# KiCad board [DFR1142]Lite Carrier for LattePanda Mu(V2).kicad_pcb (continued)
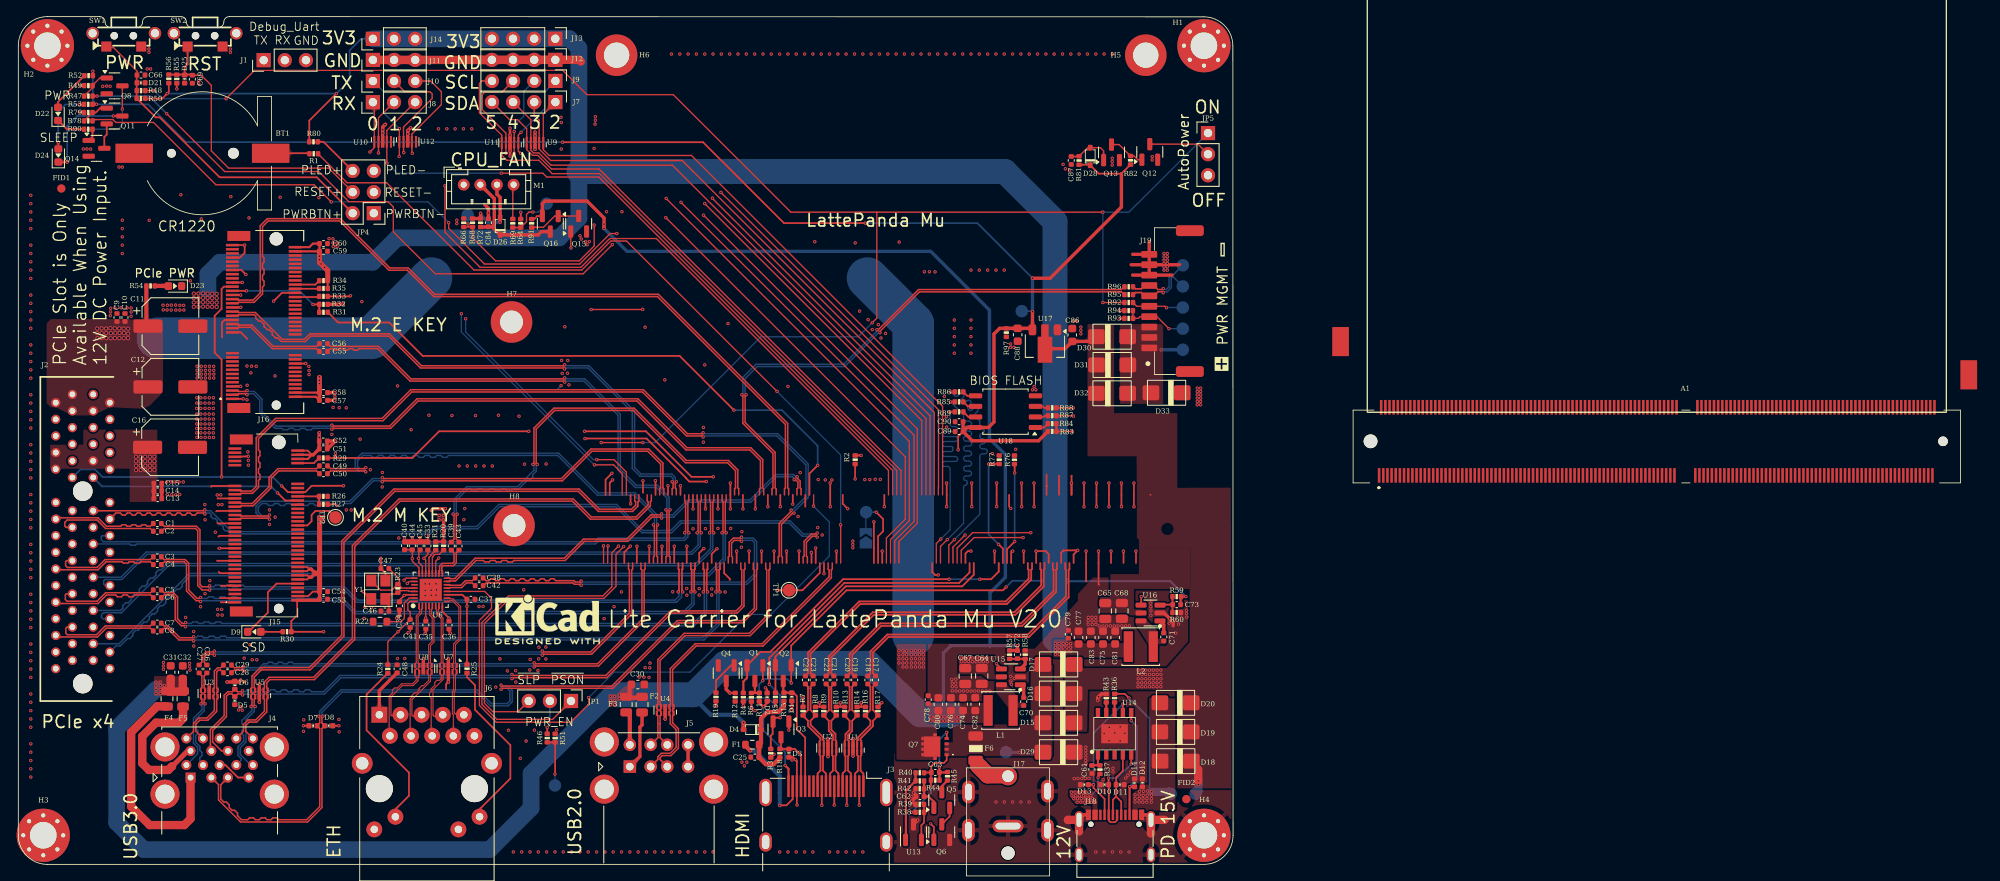
[diagram p0: board, top side]
## Nets (continued)
/LattePanda Module/~{PWR_SW}: A1.1 JP5.1 R48.2 R92.1
/LattePanda Module/~{RST_SW}: A1.3 R55.2
/LattePanda Module/~{SPI_CS0}: A1.165 R83.1 R84.2
/M.2 E&M Key/CON_PCIE_TX_0+: C55.2 J16.35
/M.2 E&M Key/CON_PCIE_TX_0-: C56.2 J16.37
/M.2 E&M Key/CON_PCIE_TX_1+: C49.2 J15.49
/M.2 E&M Key/CON_PCIE_TX_1-: C50.2 J15.47
/M.2 E&M Key/~{CLKREQM}: R26.1
/PCIe x4/PCIE30_TX0_N: C2.2 J2.B15
/PCIe x4/PCIE30_TX0_P: C1.2 J2.B14
/PCIe x4/PCIE30_TX1_N: C4.2 J2.B20
/PCIe x4/PCIE30_TX1_P: C3.2 J2.B19
/PCIe x4/PCIE30_TX2_N: C6.2 J2.B24
/PCIe x4/PCIE30_TX2_P: C5.2 J2.B23
/PCIe x4/PCIE30_TX3_N: C8.2 J2.B28
/PCIe x4/PCIE30_TX3_P: C7.2 J2.B27
/PSU/CC1: D13.2 J18.A5 U14.7
/PSU/CC2: D14.2 J18.B5 U14.6
/PSU/CON_UPS_USB_DN: J19.6 R95.2 TP16.1
/PSU/CON_UPS_USB_DP: J19.7 R96.2 TP17.1
/PSU/POWER_SW: C66.1 D21.2 JP4.4 R48.1 R50.1 SW1.1
/PSU/PWR_C_D+: D11.2 J18.A6 J18.B6 U14.4
/PSU/PWR_C_D-: D10.2 J18.A7 J18.B7 U14.5
/PSU/PWR_EN: Q15.1 R46.2 R51.2 TP9.1 U15.4 U16.4
/PSU/PWR_LED: JP4.6 R80.2
/PSU/RESET_SW: C69.1 D25.2 JP4.5 R55.1 R56.1 SW2.1
/PSU/UPS_STATE_LP: J19.4 R93.1 R94.1 TP14.1
/PSU/UPS_SW_LP: J19.5 R92.2 TP15.1
/PSU/UPS_USB_DN: A1.84 R95.1
/PSU/UPS_USB_DP: A1.82 R96.1
/PSU/~{SLP_S4_N}: A1.7 JP1.3 R78.1 R93.2
/USB2.0&USB3.0/CON_USB1_D_N: A1.109 J5.2 U4.2 U4.9
/USB2.0&USB3.0/CON_USB1_D_P: A1.111 J5.3 U4.1 U4.10
/USB2.0&USB3.0/CON_USB2_D_N: A1.79 J5.6 U4.5 U4.6
/USB2.0&USB3.0/CON_USB2_D_P: A1.81 J5.7 U4.4 U4.7
/USB2.0&USB3.0/CON_USB3_D_N: A1.73 D8.2 J4.2
/USB2.0&USB3.0/CON_USB3_D_P: A1.75 D7.2 J4.3
/USB2.0&USB3.0/CON_USB3_SSRX_N: A1.18 J4.5 U5.4 U5.7
/USB2.0&USB3.0/CON_USB3_SSRX_P: A1.16 J4.6 U5.5 U5.6
/USB2.0&USB3.0/CON_USB3_SSTX_N: C26.2 J4.8 U3.4 U3.7
/USB2.0&USB3.0/CON_USB3_SSTX_P: C27.2 J4.9 U3.5 U3.6
/USB2.0&USB3.0/CON_USB4_D_N: A1.67 D6.2 J4.11
/USB2.0&USB3.0/CON_USB4_D_P: A1.69 D5.2 J4.12
/USB2.0&USB3.0/CON_USB4_SSRX_N: A1.24 J4.14 U5.1 U5.10
/USB2.0&USB3.0/CON_USB4_SSRX_P: A1.22 J4.15 U5.2 U5.9
/USB2.0&USB3.0/CON_USB4_SSTX_N: C28.2 J4.17 U3.1 U3.10
/USB2.0&USB3.0/CON_USB4_SSTX_P: C29.2 J4.18 U3.2 U3.9
/~{PLT_RST}: A1.105 J2.A11 J15.50 J16.52 TP1.1 U6.19
/~{PWR_LED}/~{PSON}: A1.5 JP1.1 Q6.1 R19.1 R47.1 R94.2
/~{WAKE}: A1.103 J2.B11 J15.54 J16.55
VDC: A1.250 A1.251 A1.252 A1.253 A1.254 A1.255 A1.256 A1.257 A1.258 A1.259 A1.260 C64.2 C65.2 C67.2 C68.2 C86.1 D15.1 D16.1 D17.1 D18.1 D19.1 D20.1 D30.1 D31.1 D32.1 TP10.1 U15.5 U16.5 U17.2
Net-(A1-HPD_0): A1.187 R76.1
Net-(A1-HPD_1): A1.185 R77.1
Net-(A1-SIO_UART_RX): A1.12 J1.2
Net-(A1-SIO_UART_TX): A1.10 J1.1
Net-(A1-~{BIOS_SEL}): A1.133 JP6.2 R2.1 TP7.1
Net-(BT1-+): BT1.1 R1.2
Net-(D9-A): D9.2 R30.1
Net-(D9-K): D9.1 J15.10
Net-(D22-A): D22.2 R52.1
Net-(D22-K): D22.1 Q8.3 R90.1
Net-(D23-A): D23.2 R54.2
Net-(D24-A): D24.2 R53.1
Net-(D24-K): D24.1 Q11.3
Net-(D26-A): D26.2 M1.3 R68.1 R72.2
Net-(D28-A): C87.1 D28.2 Q13.1 R81.2
Net-(F6-Pad1): F6.1 J17.1
Net-(J3-+5V): F1.2 J3.18
Net-(J4A-VBUS1): F4.2 J4.1
Net-(J4B-VBUS2): F5.2 J4.10
Net-(J5-VBUS1): F2.2 J5.1
Net-(J5-VBUS2): F3.2 J5.5
Net-(J6-CT): C48.1 J6.R1
Net-(J6-PadL1): J6.L1 R25.1
Net-(J6-PadL3): J6.L3 R24.1
Net-(J15-DEVSLP): J15.38 TP2.1
Net-(J15-PEDET): J15.69
Net-(J15-SUSCLK): J15.68 R29.1
Net-(J15-~{CLKREQ}): J15.52 R26.2 R27.1
Net-(J16-SUSCLK): J16.50 R33.1
Net-(J16-~{CLKREQ0}): J16.53 R31.2 R32.1
Net-(J16-~{W_DISABLE1}): J16.56 R34.1
Net-(J16-~{W_DISABLE2}): J16.54 R35.2
Net-(JP1-C): JP1.2 R46.1
Net-(JP5-C): JP5.2 Q12.3
Net-(M1-PWM): M1.4 R69.2
Net-(Q1-D): Q1.3 R6.1 R11.1
Net-(Q4-D): Q4.3 R7.2 R8.2 R9.2 R10.2 R12.1 R13.2 R14.2 R16.2 R17.2
Net-(Q4-G): Q4.1 R19.2
Net-(Q5-D): Q5.3 R45.1
Net-(Q5-G): C62.1 Q5.1 R41.1 R42.2
Net-(Q5-S): Q5.2 Q6.3
Net-(Q7-G): C63.1 Q7.4 R44.1 R45.2
Net-(Q8-G): Q8.1 R47.2 R49.2
Net-(Q11-G): Q11.1 R78.2 R79.2
Net-(Q11-S): Q11.2 Q14.3
Net-(Q12-G): Q12.1 Q13.3 R82.2
Net-(Q14-G): Q14.1 R90.2
Net-(Q15-D): Q15.3 Q16.1 R91.1
Net-(U6-CKXTAL1): C47.2 R23.2 U6.28 Y1.1
Net-(U6-CKXTAL2): C46.2 R23.1 U6.29 Y1.3
Net-(U6-ISOLATEB): R20.2 U6.20
Net-(U6-LANWAKEB): R21.2 U6.21
Net-(U6-RSET): R22.2 U6.31
Net-(U10-NC-Pad6): U10.5 U10.6
Net-(U12-NC-Pad6): U12.5 U12.6
Net-(U13-K): R40.1 R41.2 U13.1
Net-(U13-REF): R38.1 R39.2 U13.2
Net-(U14-CFG1): R43.1 U14.9
Net-(U14-VBUS): R36.2 U14.8
Net-(U14-VDD): C61.1 R37.2 U14.1
Net-(U15-BOOST): C70.2 U15.1
Net-(U15-FB): C72.2 R57.1 R58.2 U15.3
Net-(U15-SW): C70.1 L1.1 U15.6
Net-(U16-BOOST): C71.2 U16.1
Net-(U16-FB): C73.2 R59.1 R60.2 U16.3
Net-(U16-SW): C71.1 L2.1 U16.6
Net-(U18-CLK): R85.1 U18.6
Net-(U18-DI(IO0)): R86.1 U18.5
Net-(U18-DO(IO1)): R87.1 U18.2
Net-(U18-IO2): R88.1 U18.3
Net-(U18-IO3): R89.1 U18.7
Net-(U18-~{CS}): R84.1 U18.1

Pads without a net: A1 6 8 9 70 72 91 93 104 106 108 112 114 117 118 119 120 121 122 123 124 125 126 127 128 129 130 132 134 145 147 149 157 160 162 164 166 168 172 173 174 175 176 177 178 179 180 184 186 190 191 192 193 196 198 202 204 208 210 214 216 220 221 222 223 226 227 228 229 232 233 234 235 238 239 240 241 244 245 246 247; J2 A5 A6 A7 A8 A19 A32 B5 B6 B9 B12 B30; J3 13 14; J15 5 6 7 8 11 13 17 19 20 22 23 24 25 26 28 29 30 31 32 34 35 36 37 40 42 44 46 48 56 58 67; J16 6 8 9 10 11 12 13 14 15 16 17 19 20 21 22 23 32 34 36 38 40 42 44 46 48 58 59 60 61 62 64 65 66 67 68 70 71 73; J18 A8 B8; JP5 3; SW1 MP; SW2 MP; U6 27; U14 2 3 10

## Via types
v1: diameter 0.4, hole 0.2, Top to Bottom, 1239 vias
v2: diameter 0.5, hole 0.3, Top to Bottom, 68 vias

## Routing (per net, layer and track width the routed paths; a pad name or vN(x,y) marks a point on that pad's centre or on a via; arc(x,y) is an arc through that point)
5V_HDMI_VCC: length 12
  Top w0.508: R15.1 92.01,19 91.34,18.33 90.04,18.33 89.26,17.55 D4.1 89.26,14.62 F1.1 89.04,12.94 C25.1 89.84,12.05 90.78,12.05 91.53,12.81 R18.1
+1V0: length 30.1
  Top w0.15: U6.24 48.17,35.67 47.36,36.48 C44.2 47.34,37.86 C40.2 ; 48.98,29.47 48.98,29.61 v1(48.97,29.63) U6.3 ; C33.2 49.23,37.3 v1(48.75,36.82) 48.97,36.6 U6.22
  Top w0.2: U6.8 50.97,30.43 v1(51.77,29.63) C36.2 ; C34.2 45.81,31.77 v1(46.38,32.35) 46.47,32.44 U6.30
  In2.PWR w0.4: 47.36,36.14 48.22,36.14 ; 47.36,36.14 v1(47.36,36.79) ; 47.36,36.14 45.71,34.5 45.71,33.19 ; 48.22,36.14 48.3,36.22 48.34,36.22 48.69,36.57 48.69,36.59 48.71,36.61 48.71,36.64 48.75,36.67 v1(48.75,36.82) ; 48.22,36.14 48.22,31.16 48.97,30.41 v1(48.97,29.63) v1(51.77,29.63) ; 45.76,33.19 46.38,32.57 v1(46.38,32.35)
+3V3: length 494.6
  Top w0.15: R24.2 44.41,26.77 v1(45.63,27.99) C41.2 47.1,30.34 46.82,30.62 46.82,31.38 47.08,31.64 U6.32 ; C45.2 48.14,37.68 48.14,36.31 48.57,35.89 U6.23
  Top w0.2: v1(92.9,21.82) 92.89,21.83 Q2.1 92.89,26.33 99.54,32.98 118.34,32.98 v1(118.73,33.37) ; R3.1 90.44,12.86 v1(90.83,13.25) ; 33.52,32.28 34.85,32.28 35.39,32.82 C54.2 ; v1(60.39,78.46) 60.39,77.65 R64.1 ; 92.61,17.33 v1(92.61,16.15) ; v1(51.12,39.69) 51.12,39.68 R20.1 51.11,38.83 R21.1 ; R5.1 v1(91,19.12) ; Q1.1 v1(89.48,22.1) ; U6.11 53.37,32.44 53.92,31.89 C37.2 v1(53.92,31.04) 53.92,24.07 R25.2 ; R56.2 18.09,92.94 v1(17.9,92.74) 17.29,92.14 15.27,92.14 R50.2 ; 33.52,34.78 34.75,34.78 34.99,34.54 34.73,34.28 33.52,34.28 ; v1(36.7,27.99) R30.2 32.81,29.27 33.52,29.97 33.52,31.78 ; R34.2 R35.1 ; R4.1 v1(87.14,19.09) ; R80.1 34.97,89.49 v1(38.23,92.74) ; 33.52,35.78 34.72,35.78 34.97,35.53 34.72,35.28 33.52,35.28 ; 35.29,49.28 34.79,49.78 33.52,49.78
  Top w0.25: J16.2 35.77,56.26 C57.2 ; v1(140.33,32.22) R59.2 139.71,32.19 C73.1 ; 33.52,49.28 35.29,49.28 34.79,48.78 33.52,48.78 ; J16.72 36.19,73.76 C59.2 C60.2 35.41,74.69 34.98,74.26 J16.74 ; J16.4 C58.2 ; C51.2 C52.2 ; 37.12,71.5 37.22,71.41 37.19,71.38 R34.2
  Top w0.4: v1(36.17,51.92) v1(36.17,51.35) C51.2 35.45,49.28 35.29,49.28 ; 34.97,35.53 35.19,35.53 35.69,35.03 35.2,34.54 34.99,34.54 ; C58.2 C57.2 ; 33.52,31.78 36.09,31.78 C53.2 C54.2 ; v1(51.12,39.69) 51.12,41.38 v1(51.06,41.44) ; C13.2 C15.1
  Top w0.6: C59.2 v1(36.2,73.18) v1(36.2,72.75) 36.2,72.43 v1(36.39,72.24) v1(36.81,71.82) 36.88,71.75 ; 35.69,35.03 35.7,35.04 36.21,35.04 ; C58.2 v1(36.2,58.25) 36.2,58.6 ; R34.2 37.19,71.44 36.88,71.75 ; 36.21,41.77 C54.2 ; 36.88,71.75 37.12,71.5
  In2.PWR w0.2: v1(36.7,27.99) v1(45.63,27.99) ; 48.93,38.44 49.62,37.75 49.62,36.78 50.08,36.32 50.59,36.32 52.22,34.69 52.22,32.74 v1(53.92,31.04) ; v1(90.83,13.25) 92.61,15.04 v1(92.61,16.15) 92.61,17.51 v1(91,19.12)
  In2.PWR w0.4: v1(36.69,41.82) 51.11,41.82 ; v1(51.12,39.69) 50.18,39.69 48.07,37.58 48.07,36.85 v1(48.09,36.82)
  In2.PWR w0.6: 37.19,71.44 v1(36.39,72.24) 36.2,72.43 v1(36.2,73.18) ; v1(36.2,57.84) v1(36.2,58.66) ; 36.2,52.52 36.2,51.95 v1(36.17,51.92)
  In2.PWR w1: 37.19,71.44 37.19,64.82 36.2,63.83 36.2,41.82
  Bottom w0.2: 89.04,20.04 90.12,20.04 90.12,20 v1(91,19.12) ; 89.04,20.04 87.76,20.04 87.14,19.42 v1(87.14,19.09) ; 89.04,20.04 89.04,21.66 v1(89.48,22.1) 89.69,22.31 92.41,22.31 v1(92.9,21.82) ; 124.6,34.12 119.48,34.12 v1(118.73,33.37) ; 61.31,75.38 60.39,76.3 v1(60.39,78.46) ; J14.1 41.22,99.33 39.82,97.93 39.82,94.34 v1(38.23,92.74) v1(17.9,92.74)
  Bottom w0.25: 124.6,34.12 124.65,34.07 138.48,34.07 v1(140.33,32.22)
  Bottom w2: J14.1 56.8,99.33 56.83,99.36 66.24,99.36 67.38,98.22 67.38,77.75 65.01,75.38 45.53,75.38 42.6,72.45 24.21,72.45 22.79,71.03 22.79,68.99
  Bottom w3: 124.6,27.11 124.6,77.34 118.58,83.36 67.38,83.36
  vias: v1(36.18,41.8) v1(36.17,41.26) v1(36.66,41.25) v1(50.58,41.99) v1(50.57,41.45) v1(51.09,42.01) v1(124.66,26.56) v1(124.66,26.14) v1(124.66,25.68) v1(124.66,25.27) v1(125.11,26.56) v1(125.11,26.14) v1(125.11,25.68) v1(125.11,25.27) v1(125.57,26.56) v1(125.57,26.14) v1(125.57,25.68) v1(125.57,25.27) v1(126.02,26.56) v1(126.02,26.14) v1(126.02,25.68) v1(126.48,26.56) v1(126.48,26.14) v1(126.48,25.68) v2(14.14,49.05) v2(14.14,48.5) v2(14.16,47.97) v2(14.15,47.44) v2(14.69,49.05) v2(14.69,48.5) v2(14.71,47.97) v2(14.7,47.44) v2(15.25,49.05) v2(15.25,48.5) v2(15.27,47.97) v2(15.26,47.44) v2(15.82,49.06) v2(15.82,48.51) v2(15.84,47.98) v2(15.83,47.45) v2(16.35,49.07) v2(16.35,48.52) v2(16.37,47.99) v2(16.36,47.46) v2(21.09,68.67) v2(21.09,68.14) v2(21.09,67.61) v2(21.09,67.08) v2(21.65,68.68) v2(21.65,68.15) v2(21.65,67.62) v2(21.65,67.09) v2(22.21,68.7) v2(22.21,68.17) v2(22.21,67.64) v2(22.21,67.11) v2(22.75,68.68) v2(22.75,68.15) v2(22.75,67.62) v2(22.75,67.09) v2(23.3,68.66) v2(23.3,68.13) v2(23.3,67.6) v2(23.3,67.07) v2(23.84,68.65) v2(23.84,68.12) v2(23.84,67.59) v2(23.84,67.06)
+3V3_ROM: length 206.4
  Top w0.2: R81.1 128.78,84.18 D28.1 129.85,83.11 132.58,83.11 R82.1 ; v1(8.96,95.43) 8.96,94.9 R52.2 ; v1(112.96,49.88) 112.96,51.49 C89.2 ; v1(101.3,49.2) R2.2 ; R53.2 v1(9.4,91.45) ; v1(65.42,86.89) 82.29,86.89 92.02,77.16 v1(101.81,77.16)
  Top w0.4: C89.2 114.04,52.56 U18.8 116.6,52.56 117.26,53.23 117.26,63.81 117.95,64.49 C88.1 ; C89.2 114.66,50.97 122.62,50.97 123.74,52.09 R83.2 ; C89.2 C90.2 ; v1(121.9,70.52) 124.01,70.52 132.58,79.09 132.58,83.11 ; C88.1 120.13,64.51 ; C88.1 121.71,64.49 U17.3 v1(121.89,66.51)
  In2.PWR w0.2: v1(101.3,49.2) 101.98,49.88 v1(112.96,49.88)
  Bottom w0.2: v1(121.9,70.52) 115.26,77.16 v1(101.81,77.16) ; v1(121.89,66.51) 121.84,66.56 TP13.1 ; v1(8.96,95.43) 8.96,91.89 v1(9.4,91.45) 15.6,91.45 20.15,86.9 65.41,86.9 v1(65.42,86.89)
  Bottom w0.4: v1(121.89,66.51) 121.89,70.51 v1(121.9,70.52)
+5V: length 273.5
  Top w0.2: 61.49,77.68 62.05,77.68 62.38,78.01 Q16.2
  Top w0.4: v1(70.4,76.52) 70.4,77.77 68.36,79.81 63.31,79.81 62.99,79.49 Q16.2 ; v1(120.09,26.3) 120.08,26.29 C72.1 120.05,25.74 R57.2
  Top w0.5: 73.48,21.48 73.48,20.07 73.5,20.04 74.97,20.04
  Top w0.508: v1(87.16,17.05) D4.2
  Top w1: C32.2 19.77,21.01 20,20.78 18.1,20.78 18.31,20.99 C31.2
  Bottom w0.4: 116.79,26.3 116.79,32.69 118.64,34.54 118.64,49.29 116.72,51.21 116.72,66.69 109.65,73.76 73.16,73.76 v1(70.4,76.52) v1(70.4,77.03) ; 116.79,26.3 112.05,26.3 111.19,25.44 111.19,18 ; 116.79,26.3 v1(120.09,26.3)
  Bottom w0.508: v1(87.16,17.05) 86.21,18 83.21,18 81.13,20.08 81.13,20.41
  Bottom w2: v1(71.16,20.23) 71.16,20.46 61.63,10.93 61.63,6.77 56.64,1.78 15.08,1.78 11.82,5.04 11.82,16.34 v1(16.55,21.07)
  Bottom w3: 72.29,20.41 81.13,20.41 84.91,24.19 102.21,24.19 108.4,18 112.2,18
  vias: v1(16.54,21.5) v1(16.55,21.94) v1(16.55,20.55) v1(17.06,21.94) v1(17.07,21.51) v1(17.05,21.04) v1(17.06,20.56) v1(17.56,21.53) v1(71.19,19.7) v1(71.18,19.22) v1(71.65,20.21) v1(71.68,19.67) v1(71.68,19.21) v1(72.23,20.38) v1(72.21,19.95) v1(109.71,17.74) v1(109.67,17.25) v1(110.13,17.74) v1(110.09,17.25) v1(110.54,17.74) v1(110.51,17.25) v1(110.92,17.25) v1(110.95,17.74) v1(111.34,17.25) v1(111.37,17.74) v1(111.78,17.74) v1(111.76,17.25) v1(112.2,17.74) v1(112.18,17.25) v1(112.61,17.74) v1(112.6,17.25) v1(113.02,17.74) v1(113.02,17.25)
+5V_FAN: length 14.8
  Top w0.4: 56.93,76.72 D26.1 62.49,75.74 62.88,76.13 Q16.3 ; 56.93,76.72 57.21,77 57.21,80.1 M1.2 ; 56.93,76.72 C84.1 56.47,76.69 R72.1
+12V: length 12.4
  Top w0.2: R40.2 108.9,11.06 C63.2 ; Q7.1 111.58,12.54 111.24,12.2 110.11,12.2 109.73,11.82 C63.2 ; R38.2 107.36,6.27 v1(107.34,6.25) ; v1(109.69,9.34) 109.69,10.12 R44.2 109.7,11.03 C63.2
  Bottom w0.2: v1(107.34,6.25) 109.69,8.6 v1(109.69,9.34)
  Bottom w0.4: TP4.1 v1(120.31,13.5)
+12VA: length 86.1
  Top w0.5: C11.1 15.39,64.95 R54.1
  Bottom w5: 16.71,63.31 42.42,63.31 49.65,70.54 ; 107.56,27.56 107.56,65.05 102.07,70.54
  vias: v1(105.83,25.71) v1(105.83,25.22) v1(105.83,24.73) v1(105.83,24.23) v1(106.32,25.69) v1(106.31,25.22) v1(106.31,24.73) v1(106.31,24.23) v1(106.31,23.74) v1(106.77,25.69) v1(106.77,25.22) v1(106.77,24.73) v1(106.77,24.23) v1(106.77,23.74) v1(107.33,25.71) v1(107.33,25.22) v1(107.33,24.73) v1(107.33,24.23) v1(107.33,23.74) v1(107.83,25.71) v1(107.83,25.22) v1(107.83,24.73) v1(107.83,24.23) v1(107.83,23.74) v1(108.31,25.69) v1(108.31,25.22) v1(108.31,24.73) v1(108.31,24.23) v1(108.31,23.74) v1(108.77,25.69) v1(108.77,25.22) v1(108.77,24.73) v1(108.77,24.23) v1(108.77,23.74) v2(9.48,64.47) v2(9.46,63.92) v2(9.51,63.31) v2(10.01,64.49) v2(10.02,63.92) v2(10.02,63.31) v2(10.54,64.47) v2(10.57,63.92) v2(10.57,63.31) v2(11.07,64.52) v2(11.13,63.91) v2(11.1,63.31) v2(11.61,64.5) v2(11.62,63.31) v2(11.66,63.92) v2(12.14,64.49) v2(12.17,63.94) v2(12.15,63.31) v2(12.67,64.47) v2(12.69,63.92) v2(12.67,63.31) v2(13.2,64.45) v2(13.2,63.86) v2(13.19,63.31)
+15V: length 19.7
  Top w0.2: R37.1 129.78,10.67 v1(129.78,10.44) ; R36.1 132.98,20.52 v1(133.49,20.01)
  Bottom w0.2: v1(133.49,20.01) 135.97,17.53 135.97,9.09 v1(135.71,8.83) ; v1(128.91,8.26) 129.78,9.13 v1(129.78,10.44)
  Bottom w1: TP3.1 138.26,8.74 v1(136.21,8.74)
  vias: v1(126.56,8.69) v1(126.64,8.25) v1(126.86,7.9) v1(127,8.7) v1(127.08,8.26) v1(127.3,7.91) v1(127.26,7.48) v1(127.45,8.69) v1(127.53,8.25) v1(127.7,7.49) v1(127.75,7.9) v1(127.9,8.69) v1(128.02,8.26) v1(128.13,7.48) v1(128.23,7.91) v1(128.34,8.7) v1(128.46,8.27) v1(128.56,7.48) v1(128.67,7.92) v1(129,7.48) v1(129.12,7.91) v1(129.45,7.48) v1(134.22,8.38) v1(134.23,7.94) v1(134.22,7.52) v1(134.72,8.35) v1(134.72,7.93) v1(134.71,7.51) v1(134.75,8.8) v1(135.2,8.31) v1(135.17,7.9) v1(135.15,7.49) v1(135.25,8.78) v1(135.62,7.49) v1(135.68,8.33) v1(135.65,7.91) v1(136.2,8.32) v1(136.18,7.89) v1(136.17,7.48)
+VBAT: length 2.6
  Bottom w0.4: TP18.1 137.37,61.92 v1(137.36,61.91)
GND: length 324.9
  Top w0.15: C35.1 48.98,27.87 v1(48.89,27.78) 48.92,27.81 48.98,27.81 ; 51.77,27.82 51.94,27.82 v1(51.95,27.81) 51.77,27.99 C36.1 ; 51.77,28.03 51.78,28.02 ; 48.98,28.01 48.99,28 ; C41.1 47.1,28.01
  Top w0.2: v1(83.97,37.98) 83.33,37.34 83.33,36.26 ; 24.01,37.99 24.05,38.03 v1(24.17,38.03) J15.27 ; J16.45 26.73,67.01 v1(26.74,67.02) ; 26.72,55.12 J16.MP1 ; 111.58,45.88 111.58,43.03 ; 43.58,36.93 43.58,36.92 v1(43.58,36.78) C47.1 44.12,35.06 Y1.4 ; 131.08,43.03 131.08,45.88 ; 59.1,88.57 v1(59.09,88.58) ; v1(75.83,38.28) 75.83,38.27 75.83,36.26 ; J15.51 23.97,44.03 23.95,44.05 ; 134.33,36.26 134.33,37.68 ; v1(27.36,70.97) 27.35,70.97 26.81,71.51 J16.63 ; v1(122.33,37.69) 123.49,37.69 123.83,37.34 123.83,36.26 ; v1(73.59,43.37) 73.58,43.37 73.58,44.46 ; J15.1 24.38,31.53 24.34,31.57 ; v1(89.8,21.24) 90.01,21.03 D2.1 ; 84.08,44.46 84.08,42.77 ; v1(80.35,38.28) 80.33,38.26 80.33,36.26 ; D7.1 v1(34.28,16.68) ; 98.33,36.26 98.33,37.68 ; v1(26.73,57.52) 26.72,57.51 J16.7 ; 128.08,45.88 128.08,43.03 ; v1(26.93,70.02) 26.92,70.01 J16.57 ; 126.83,36.26 126.83,37.28 v1(127.33,37.78) 125.61,37.78 125.33,37.5 125.33,36.26 ; 24.49,63.44 24.47,63.46 24.47,65.19 24.79,65.51 J16.39 24.81,65.51 ; Y1.2 42.31,31.94 41.45,32.8 41.45,32.81 v1(41.46,32.82) ; 101.07,10.3 101.07,7.13 v1(101.08,7.12) ; 23.91,36.55 23.93,36.53 J15.21 ; 87.08,44.46 87.08,42.77 ; 79.58,44.46 79.58,45.55 v1(79.58,45.56) ; 74.33,36.26 74.33,38.26 v1(74.35,38.28) ; 95.33,36.26 95.33,37.52 v1(95.32,37.54) ; 88.09,19.08 88.11,19.1 R6.2 ; v1(26.72,68.5) 26.71,68.51 J16.51 ; 125.07,46.77 125.08,46.75 125.08,44.46 ; 99.08,44.46 99.08,43.39 v1(99.68,42.8) ; 82.58,44.46 82.58,42.77 ; 87.83,36.26 87.83,37.68 ; v1(51.69,21.95) 51.42,21.68 51.42,21.06 ; 81.83,36.26 81.83,37.45 82.38,38 v1(82.39,38) ; v1(93.08,43.34) 93.08,43.34 93.08,44.46 ; 126.58,45.88 126.58,44.46 126.58,46.75 126.59,46.76 ; 129.91,33.62 129.83,33.7 129.83,37.68 ; 122.08,43.03 122.08,45.88 ; J4.4 26.4,10.45 24.9,11.95 J4.7 ; v1(76.57,46.17) 76.58,46.15 76.58,44.46 ; v1(78.84,38.28) 78.83,38.27 78.83,36.26 ; v1(128.33,37.69) 128.33,37.68 128.33,34.08 128.37,34.04 ; 120.58,45.88 120.58,43.03 ; 62.1,88.1 v1(62.11,88.11) ; 86.33,36.26 86.33,37.68 ; 96.83,36.26 96.83,34.98 v1(96.83,34.98) ; v1(73.56,38.29) 72.83,37.56 72.83,36.26 ; 46.43,39.32 v1(46.43,39.26) C40.1 ; J16.18 34.54,60.26 v1(34.55,60.27) ; 23.79,42.47 23.85,42.53 J15.45 ; 88.58,44.46 88.58,42.77 ; 24.29,32.06 24.32,32.03 J15.3 ; 99.57,10.3 v1(99.57,7.11) ; 119.33,36.26 119.33,37.68 ; 24.09,35.2 24.26,35.03 J15.15 ; 93.83,36.26 93.83,37.68 ; 129.58,45.88 129.58,43.03 ; 85.58,45.88 85.58,42.77 ; v1(93.59,7.14) 93.57,7.16 93.57,12.44 v1(93.41,12.6) 93.12,12.89 D3.1 ; 132.58,43.03 132.58,45.88 ; 27.52,63.24 26.75,64.01 J16.33 ; 119.08,44.46 119.08,43.03 ; 132.83,36.26 132.83,37.68 ; J15.39 23.97,41.03 23.94,41.06 ; 24.4,33.52 24.41,33.53 J15.9 ; R27.2 38.12,43.32 38.34,43.1 ; v1(114.5,37.7) 114.14,37.7 113.83,37.39 113.83,36.26 ; 75.08,44.72 75.08,46.14 ; 23.16,45.43 23.26,45.53 J15.57 ; 114.58,45.88 114.58,43.03 ; C33.1 49.23,39.66 49.22,39.67 ; 85.51,34.22 85.51,34.36 84.83,35.03 84.83,36.26 ; 90.83,36.26 90.83,37.68 ; v1(110.57,34.82) 110.2,34.82 109.83,35.18 109.83,36.26 ; 91.58,44.46 91.58,43.03 ; D8.1 v1(38.53,16.68) ; 117.58,43.03 117.58,45.88 ; J15.33 24.16,39.53 24.06,39.43 ; 134.08,43.03 134.08,45.88 ; 97.58,43.03 97.58,45.88 ; J16.69 26.63,73.01 27.2,73.58 v1(27.2,74.51) J16.75 ; 103.83,36.26 103.83,37.68 ; 92.33,36.26 92.33,37.68 ; 77.33,36.26 77.33,38.25 v1(77.36,38.28) ; 90.08,44.46 90.08,43.03 ; 89.33,36.26 89.33,37.68 ; 131.33,36.26 131.33,37.68 ; v1(27.03,56.01) J16.1 ; 81.08,44.46 81.08,42.77 v1(81.09,42.77) ; 117.33,36.26 117.33,37.68 ; J15.71 v1(27.65,49.1) 27.59,49.03 27.6,49.02 ; 98.07,10.3 v1(98.07,7.13) ; 96.57,10.3 v1(96.57,7.11) ; 104.08,44.46 104.08,43.03 ; 123.59,46.93 123.59,45.49 123.58,45.48 123.58,44.46 ; 94.58,44.46 94.58,43.03 ; v1(78.08,45.57) 78.08,45.56 78.08,44.46 ; 122.33,36.26 122.33,37.68 ; 120.83,36.26 120.83,37.68
  Top w0.25: v1(92.91,18.53) 93,18.62 93,19.02 v1(92.96,19.05) 92.96,19.68
  Top w0.3: v1(59.1,87.74) 59.1,88.57 ; v1(59.1,85.84) v1(59.1,85.22)
  Top w0.4: C58.1 v1(38.05,56.76) ; 133.76,72.15 J19.9 139.57,72.15 ; 49.63,42.57 49.86,42.8 v1(51.33,42.8) ; J18.S1 135.53,5.95 J18.A12 ; 138.8,28.7 138.8,29.16 138.73,29.23 v1(138.73,29.29) 138.67,29.29 138.41,29.55 v1(138.39,29.55) 138.39,29.57 137.65,30.3 137.23,30.3 ; v1(59.1,85.84) U11.8 v1(59.1,87.74) ; J19.8 138.66,70.9 ; J19.8 J19.10 ; J19.8 133.93,70.9 ; R32.2 38.99,67.38 v1(39.02,67.41) ; v1(25.08,21.95) 26.5,21.95 v1(26.72,22.17) ; J19.10 133.94,73.4 ; J19.10 135.93,74.92 ; U12.3 v1(46.8,87.88) 46.8,88.27 v1(46.86,88.32) v1(47.16,88.63) ; C34.1 45.81,29.94 v1(45.49,29.63) ; 80.5,14.88 80.5,12.26 ; v1(51.69,24.72) 51.69,24.71 U7.8 51.69,21.95 v1(51.69,21.95) ; 44.14,89.06 v1(44.08,88.99) 43.79,88.71 v1(43.79,88.4) v1(43.79,87.99) U10.3 ; C13.1 C15.2 ; J18.A1 128.09,5.95 J18.S1 ; v1(28.97,21.71) U5.8 v1(28.97,19.51) ; U8.8 v1(48.69,24.72) ; R43.2 130.18,20.51 v1(129.84,20.17) 129.74,20.07 v1(129.74,19.75) ; 56.04,79.39 56.5,78.93 C84.2 ; R39.1 107.76,7.22 v1(107.38,7.6) 107.89,8.11 C62.2 107.89,8.32 v1(107.6,8.61) ; v1(97.31,12.97) U2.8 v1(97.31,15.11) ; 62.1,88.1 v1(62.1,87.66) U9.8 v1(62.1,86.03) ; U13.3 v1(108.1,5.32) ; C57.1 v1(38.03,55.83) ; v1(100.32,13.03) U1.8 U1.3 v1(100.32,15.14) ; v1(77.75,17.49) U4.8 U4.3 ; v1(22.95,21.58) U3.3 U3.8 ; C51.1 37.17,50 v1(38.1,50.93) C52.1 C51.1
  Top w0.6: C33.1 49.2,38.82 C40.1
  Top w1: J12.4 67.41,96.8 67.6,96.61 ; J12.4 56.91,96.79 J11.1 ; J12.4 53.69,96.8 53.68,96.79 ; 126.15,5.34 126.17,5.35 J18.S1 ; J18.S1 137.77,5.35 ; 127.49,5.85 127.49,3.95 ; 136.12,3.73 136.13,3.74 136.13,5.85
  In1.GND w0.2: 26.35,10.05 26.35,10.5 24.9,11.95 J4.7 24.75,11.95 25.41,12.61
  In2.PWR w0.2: 22.03,10.84 22.29,10.84 23.4,11.95 J4.7
  Bottom w0.15: v1(65.24,57.6) 64.78,57.14
  vias: v1(1.5,80.5) v1(1.5,79.5) v1(1.5,78.5) v1(1.5,77.5) v1(1.5,76.5) v1(1.5,74.5) v1(1.5,73.5) v1(1.5,72.5) v1(1.5,71.5) v1(1.5,70.5) v1(1.5,68.5) v1(1.5,67.5) v1(1.5,66.5) v1(1.5,65.5) v1(1.5,64.5) v1(1.5,62.5) v1(1.5,61.5) v1(1.5,60.5) v1(1.5,59.5) v1(1.5,58.5) v1(1.5,56.5) v1(1.5,55.5) v1(1.5,54.5) v1(1.5,53.5) v1(1.5,52.5) v1(1.5,50.5) v1(1.5,49.5) v1(1.5,48.5) v1(1.5,47.5) v1(1.5,46.5) v1(1.5,44.5) v1(1.5,43.5) v1(1.5,42.5) v1(1.5,41.5) v1(1.5,40.5) v1(1.5,38.5) v1(1.5,37.5) v1(1.5,36.5) v1(1.5,35.5) v1(1.5,34.5) v1(1.5,32.5) v1(1.5,31.5) v1(1.5,30.5) v1(1.5,29.5) v1(1.5,28.5) v1(1.5,26.5) v1(1.5,25.5) v1(1.5,24.5) v1(1.5,23.5) v1(1.5,22.5) v1(1.5,20.5) v1(1.5,19.5) v1(1.5,18.5) v1(1.5,17.5) v1(1.5,16.5) v1(1.5,14.5) v1(1.5,13.5) v1(1.5,12.5) v1(1.5,11.5) v1(1.5,10.5) v1(7.35,90.51) v1(7.46,93.69) v1(7.82,86.08) v1(8.25,86.08) v1(8.69,86.06) v1(10.15,93.61) v1(10.61,93.64) v1(11.03,93.61) v1(11.09,66.91) v1(11.09,66.47) v1(11.06,66.02) v1(11.6,66.96) v1(12.1,83.9) v1(12.35,66.97) v1(12.5,83.9) v1(12.5,77.5) v1(12.5,76.5) v1(12.5,75.5) v1(12.5,74.5) v1(12.5,73.5) v1(13.08,66.95) v1(13.56,66.95) v1(13.57,66.47) v1(13.56,65.95) v1(15.5,95.7) v1(15.7,98.1) v1(15.7,97.7) v1(15.73,77.49) v1(15.9,95.7) v1(17.4,67.28) v1(17.42,66.72) v1(17.44,23.87) v1(17.44,23.47) v1(17.45,24.3) v1(17.83,46.01) v1(17.92,67.28) v1(17.88,66.71) v1(17.91,44.47) v1(18.33,46.01) v1(18.39,67.29) v1(18.38,66.7) v1(18.44,44.47) v1(18.83,46.01) v1(18.9,67.29) v1(18.93,66.69) v1(18.93,44.47) v1(19.33,46.01) v1(19.42,67.26) v1(19.41,66.69) v1(19.4,44.5) v1(19.54,80.57) v1(19.83,46.01) v1(19.88,67.26) v1(19.9,66.7) v1(20.12,29.71) v1(20.58,24.19) v1(20.58,23.78) v1(20.64,23.38) v1(20.67,70.21) v1(21.08,28.01) v1(21.09,26.27) v1(21.44,55.5) v1(21.44,54.86) v1(21.44,54.18) v1(21.44,52.45) v1(21.44,51.92) v1(21.48,59.93) v1(21.49,59.45) v1(21.5,58.99) v1(21.49,58.52) v1(21.45,56.14) v1(21.45,53.58) v1(21.45,52.99) v1(21.46,51.37) v1(21.7,94.3) v1(21.7,93.9) v1(21.94,55.5) v1(21.94,54.86) v1(21.94,54.18) v1(21.94,52.45) v1(21.94,51.92) v1(21.9,31) v1(22,77.65) v1(21.98,59.93) v1(21.99,59.45) v1(22,58.99) v1(21.99,58.52) v1(21.95,56.14) v1(21.95,53.58) v1(21.95,52.99) v1(21.96,51.37) v1(22.44,55.5) v1(22.44,54.86) v1(22.44,54.18) v1(22.44,52.45) v1(22.44,51.92) v1(22.42,43.29) v1(22.44,32.57) v1(22.48,59.93) v1(22.49,59.45) v1(22.5,58.99) v1(22.49,58.52) v1(22.45,56.14) v1(22.45,53.58) v1(22.45,52.99) v1(22.46,51.37) v1(22.45,41.47) v1(22.94,55.5) v1(22.94,54.86) v1(22.94,54.18) v1(22.94,52.45) v1(22.94,51.92) v1(22.98,59.93) v1(22.99,59.45) v1(23,58.99) v1(22.99,58.52) v1(22.95,56.14) v1(22.95,53.58) v1(22.95,52.99) v1(22.96,51.37) v1(23.02,34.14) v1(23.44,55.5) v1(23.44,54.86) v1(23.44,54.18) v1(23.44,52.45) v1(23.44,51.92) v1(23.48,59.93) v1(23.49,59.45) v1(23.5,58.99) v1(23.49,58.52) v1(23.45,56.14) v1(23.45,53.58) v1(23.45,52.99) v1(23.46,51.37) v1(23.68,39.97) v1(23.91,44.45) v1(24.04,43.28) v1(23.95,30.68) v1(23.98,30.01) v1(24.33,44.46) v1(24.44,30.68) v1(24.47,43.29) v1(24.5,29.99) v1(25.5,98.1) v1(25.5,97.7) v1(25.54,80.35) v1(26.47,18.58) v1(26.76,18.96) v1(26.91,18.55) v1(27.09,21.98) v1(27.15,24.81) v1(27.48,59.96) v1(27.5,57.64) v1(27.48,55.9) v1(27.59,49.64) v1(27.73,77.79) v1(27.65,48.6) v1(27.65,48.03) v1(27.85,26.42) v1(28.04,59.94) v1(27.95,59.14) v1(28.11,24.62) v1(28.59,59.93) v1(28.66,24.62) v1(30.19,42.65) v1(30.19,40.9) v1(30.85,58.77) v1(30.87,41.77) v1(31.47,80.26) v1(34.3,17.39) v1(34.28,16.01) v1(34.92,59.92) v1(34.94,58.93) v1(34.95,59.41) v1(36.13,80.22) v1(37.35,75.29) v1(37.68,51.73) v1(37.82,75.26) v1(37.82,74.78) v1(37.83,54.98) v1(37.85,74.33) v1(38.05,56.29) v1(38.29,74.76) v1(38.32,74.32) v1(38.5,67.39) v1(38.53,17.44) v1(38.57,54.96) v1(38.56,15.95) v1(39.42,54.93) v1(39.43,42.65) v1(40.01,42.64) v1(41.08,51.16) v1(41.29,67.71) v1(41.56,29.59) v1(41.67,30.98) v1(42.31,47.48) v1(42.44,30.9) v1(43.74,45.41) v1(43.76,47.15) v1(45.58,57.57) v1(45.57,24.76) v1(45.73,39.27) v1(46.45,24.77) v1(46.85,27.87) v1(47.21,52.3) v1(47.37,39.32) v1(48.28,39.32) v1(48.9,33.75) v1(48.89,32.96) v1(48.89,32.33) v1(49.35,54.04) v1(49.42,33.74) v1(49.62,32.99) v1(49.63,32.39) v1(50.2,33.76) v1(50.21,32.39) v1(50.27,33.03) v1(50.5,88.5) v1(51.5,88.5) v1(52.11,54) v1(52.5,88.5) v1(52.7,77.5) v1(52.7,77.1) v1(52.97,47.93) v1(53.5,88.5) v1(53.55,41.48) v1(53.66,42.82) v1(53.97,47.93) v1(54.5,88.5) v1(54.95,54) v1(54.97,47.93) v1(55.37,31.02) v1(55.86,31.03) v1(55.97,47.93) v1(56.5,78.37) v1(56.97,47.93) v1(57.38,21.33) v1(57.71,54.04) v1(57.88,24.73) v1(58.79,23.28) v1(58.91,16.14) v1(59.5,1.5) v1(59.77,23.31) v1(59.8,21.93) v1(60.18,53.92) v1(60.33,12.76) v1(60.5,1.5) v1(60.74,33.04) v1(60.84,48.15) v1(61.03,14.84) v1(61.52,24.66) v1(61.47,23.39) v1(61.5,1.5) v1(62.03,16.15) v1(62.54,24.73) v1(62.46,23.33) v1(62.5,1.5) v1(62.57,26.13) v1(63.44,48.18) v1(63.4,26.15) v1(63.41,24.72) v1(63.5,1.5) v1(64.5,1.5) v1(64.7,16.2) v1(65.23,89.88) v1(65.27,89.26) v1(65.26,86.07) v1(65.3,60.64) v1(65.37,59.07) v1(65.5,1.5) v1(65.68,64.68) v1(66.04,60.63) v1(66.01,59.09) v1(66.18,57.7) v1(66.5,1.5) v1(67.51,75.63) v1(67.5,1.5) v1(67.66,75.24) v1(68.18,74.93) v1(68.37,74.55) v1(68.5,1.5) v1(68.62,74.93) v1(69.2,86.14) v1(69.32,89.07) v1(69.36,89.96) v1(69.36,89.54) v1(69.5,1.5) v1(70.41,29.57) v1(70.5,1.5) v1(70.7,78.53) v1(71.5,1.5) v1(71.6,31.01) v1(72.49,32.78) v1(72.5,1.5) v1(72.55,78.53) v1(73.5,1.5) v1(74.5,1.5) v1(74.62,22.53) v1(75.08,46.15) v1(75.19,22.52) v1(75.34,64.63) v1(75.34,23.67) v1(75.5,1.5) v1(75.81,22.49) v1(75.92,24.22) v1(75.89,23.65) v1(76.5,1.5) v1(77.5,1.5) v1(77.7,58.3) v1(78.5,97.5) v1(78.5,1.5) v1(78.65,32.8) v1(79.5,97.5) v1(79.5,1.5) v1(80.33,33.19) v1(80.35,32.39) v1(80.5,97.5) v1(80.5,1.5) v1(81.09,40.37) v1(81.5,97.5) v1(81.5,1.5) v1(81.83,33.18) v1(81.84,32.4) v1(82.34,52.57) v1(82.34,50.8) v1(82.5,97.5) v1(82.5,60.1) v1(82.5,1.5) v1(82.59,42.77) v1(82.59,40.4) v1(83.34,33.15) v1(83.34,32.41) v1(83.5,97.5) v1(83.5,1.5) v1(84.09,42.77) v1(84.09,40.42) v1(84.5,97.5) v1(84.95,32.77) v1(85.3,65.07) v1(85.5,97.5) v1(85.58,45.89) v1(85.59,42.77) v1(85.62,40.42) v1(86.33,37.69) v1(86.5,97.5) v1(86.91,38.17) v1(86.96,40.03) v1(86.96,12.3) v1(87.09,42.77) v1(87.26,11.85) v1(87.5,97.5) v1(87.56,12.3) v1(87.83,37.69) v1(88.16,18.78) v1(88.5,97.5) v1(88.54,18.5) v1(88.59,42.77) v1(89.33,37.69) v1(89.5,97.5) v1(90.09,43.03) v1(90.5,97.5) v1(90.83,37.69) v1(91.5,97.5) v1(91.5,1.5) v1(91.59,43.03) v1(92.33,37.69) v1(92.5,97.5) v1(92.5,57.5) v1(92.5,1.5) v1(92.99,12.55) v1(93.5,97.5) v1(93.5,1.5) v1(93.72,41.86) v1(93.83,37.69) v1(93.98,47.14) v1(94.5,97.5) v1(94.5,1.5) v1(95.5,97.5) v1(95.5,1.5) v1(95.73,74.92) v1(96.14,46.3) v1(96.08,40.52) v1(96.5,97.5) v1(96.62,39.63) v1(96.99,46.26) v1(97.5,97.5) v1(97.5,1.5) v1(97.58,45.89) v1(97.59,43.03) v1(97.78,46.26) v1(98.33,37.69) v1(98.5,97.5) v1(98.5,1.5) v1(99.5,97.5) v1(99.5,1.5) v1(100.3,38.9) v1(100.3,38.5) v1(100.3,38.1) v1(100.5,97.5) v1(100.5,1.5) v1(100.59,74.78) v1(101.11,66.57) v1(101.5,97.5) v1(101.5,1.5) v1(101.74,46.3) v1(102.14,65.54) v1(102.34,46.3) v1(102.5,97.5) v1(102.64,64.34) v1(102.99,46.33) v1(103.36,64.94) v1(103.5,97.5) v1(103.6,46.32) v1(103.68,63.33) v1(103.83,37.69) v1(104.09,43.03) v1(104.23,63.88) v1(104.5,97.5) v1(105.5,97.5) v1(105.87,74.87) v1(106.5,97.5) v1(107.36,8.16) v1(107.5,97.5) v1(108.5,97.5) v1(108.9,71.3) v1(109.5,97.5) v1(109.5,71.3) v1(110.19,71.29) v1(110.5,97.5) v1(111.3,56.3) v1(111.5,97.5) v1(111.54,53.85) v1(111.58,52.61) v1(111.57,45.89) v1(111.57,43.03) v1(112.2,22.24) v1(112.23,21.81) v1(112.25,20.88) v1(112.25,21.38) v1(112.5,97.5) v1(112.5,65.5) v1(112.5,64.5) v1(112.5,63.5) v1(112.5,62.5) v1(112.5,61.5) v1(112.67,22.29) v1(112.67,21.81) v1(112.7,21.38) v1(112.7,20.86) v1(113.15,20.86) v1(113.5,97.5) v1(113.6,20.86) v1(114.05,20.86) v1(114.5,97.5) v1(114.5,71.5) v1(114.5,65.5) v1(114.5,64.5) v1(114.5,63.5) v1(114.5,62.5) v1(114.5,61.5) v1(114.51,20.86) v1(114.58,45.89) v1(114.59,43.03) v1(114.96,20.86) v1(115.41,20.86) v1(115.5,97.5) v1(115.5,71.5) v1(115.86,20.86) v1(116.31,20.86) v1(116.5,97.5) v1(116.5,71.5) v1(116.76,20.86) v1(117.06,49.42) v1(117.33,37.69) v1(117.5,97.5) v1(117.5,71.5) v1(117.5,7.5) v1(117.58,45.89) v1(117.59,43.03) v1(118.5,97.5) v1(118.5,71.5) v1(118.5,7.5) v1(119.26,62.61) v1(119.26,62.21) v1(119.28,42.83) v1(119.28,22.63) v1(119.3,22.07) v1(119.35,21.66) v1(119.5,97.5) v1(119.52,37.69) v1(119.5,7.5) v1(119.66,62.21) v1(119.71,22.38) v1(119.88,49.94) v1(120.5,97.5) v1(120.5,7.5) v1(120.58,45.89) v1(120.59,43.03) v1(120.83,37.69) v1(121.5,97.5) v1(121.5,7.5) v1(121.9,57.1) v1(122.1,57.5) v1(122.08,45.89) v1(122.09,43.03) v1(122.3,57.1) v1(122.5,97.5) v1(123.5,97.5) v1(124.5,97.5) v1(125.5,97.5) v1(125.57,84.22) v1(125.85,83.69) v1(126.34,83.44) v1(126.5,97.5) v1(126.58,45.89) v1(126.83,65.39) v1(126.91,10.31) v1(127.23,65.39) v1(127.36,10.34) v1(127.5,97.5) v1(127.7,64.65) v1(127.7,64.24) v1(127.71,63.83) v1(127.83,10.34) v1(128.08,45.89) v1(128.09,43.03) v1(128.3,14.1) v1(128.3,13.7) v1(128.3,13.3) v1(128.3,12.9) v1(128.3,12.5) v1(128.3,12.1) v1(128.25,10.34) v1(128.5,97.5) v1(128.6,29.72) v1(128.58,29.32) v1(128.57,28.89) v1(128.68,10.34) v1(129.04,29.73) v1(129.05,29.3) v1(129.07,28.88) v1(129.5,97.5) v1(129.5,29.72) v1(129.51,29.31) v1(129.51,28.9) v1(129.5,1.5) v1(129.59,45.89) v1(129.59,43.03) v1(129.83,37.69) v1(129.9,28.69) v1(130.36,28.69) v1(130.38,10.18) v1(130.5,97.5) v1(130.5,15.76) v1(130.5,1.5) v1(130.81,28.69) v1(131.08,45.89) v1(131.09,43.03) v1(131.12,16.5) v1(131.09,14.87) v1(131.33,37.69) v1(131.27,28.69) v1(131.5,97.5) v1(131.48,84.96) v1(131.48,84.56) v1(131.48,84.14) v1(131.5,1.5) v1(131.56,11.56) v1(131.57,11.12) v1(131.72,28.69) v1(131.78,15.81) v1(132.18,28.69) v1(132.43,16.55) v1(132.43,14.85) v1(132.5,1.5) v1(132.58,45.89) v1(132.59,43.03) v1(132.63,28.69) v1(132.83,37.69) v1(133,15.77) v1(133.09,28.69) v1(133.1,10.38) v1(133.36,10.73) v1(133.54,28.69) v1(133.5,1.5) v1(133.68,11.11) v1(134.08,45.89) v1(134.09,43.03) v1(134.33,37.69) v1(135.17,12.06) v1(135.19,11.56) v1(135.21,11.04) v1(136.11,31.43) v1(136.11,30.99) v1(136.13,30.51) v1(136.13,29.98) v1(136.28,85.16) v1(136.28,84.76) v1(137.7,73.5) v1(137.7,73.1) v1(137.7,72.7) v1(137.7,72.3) v1(137.7,71.9) v1(137.7,71.5) v1(138.1,73.5) v1(138.1,73.1) v1(138.1,72.7) v1(138.1,72.3) v1(138.1,71.9) v1(138.1,71.5) v1(138.32,29.03) v1(139.1,27.82) v1(139.45,28.91) v1(140.42,30.58) v1(140.42,30.17) v1(140.44,29.74) v1(141.7,57.3) v1(141.7,56.9) v1(141.7,56.5) v1(141.7,56.1) v1(141.7,55.7) v1(141.7,55.3) v1(142.1,57.3) v1(142.1,56.9) v1(142.1,56.5) v1(142.1,56.1) v1(142.1,55.7) v1(142.1,55.3)